# Altium PCB 3d_design_approx.PcbDoc (part 3 of 3)
Units mil, origin at the board's own origin, x right, y up, seen from the top; angles counter-clockwise.
Board outline 6771.68 x 3346.27 mil, 4 copper layers (Top Layer, Mid-Layer 1, Mid-Layer 3, Bottom Layer); 154 components, 242 nets, 874 pads, 288 vias.
Unrouted connection lines stored in the file: 2.
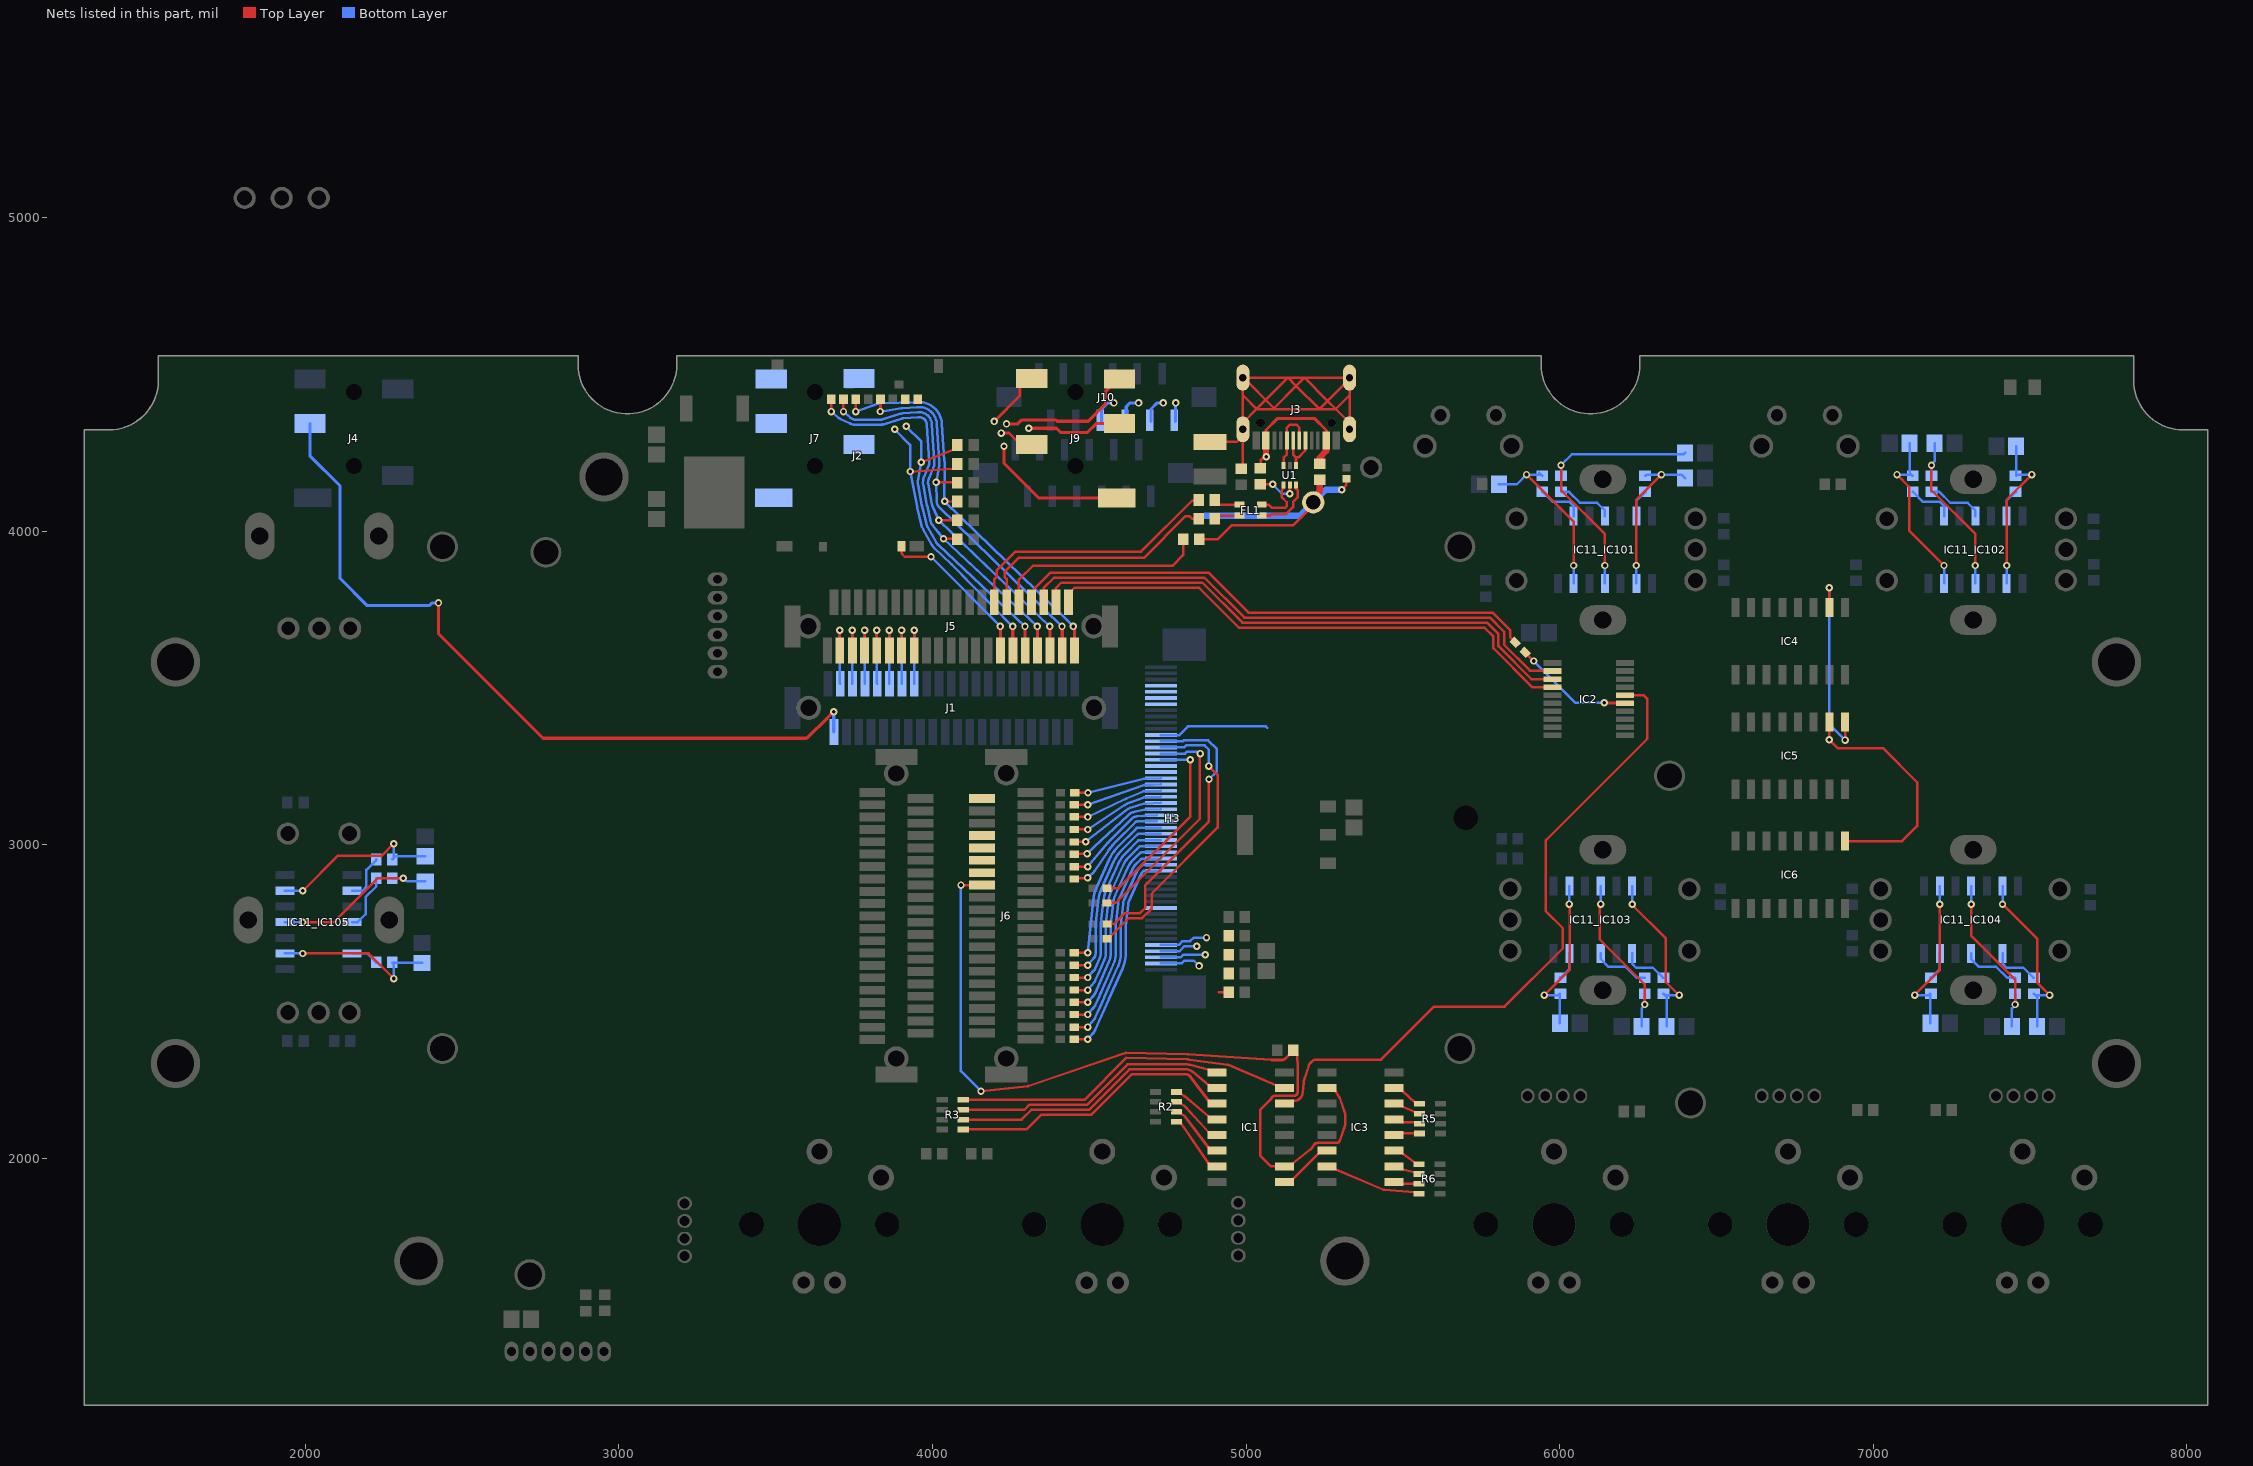
[diagram p3: the nets of this part, all layers, seen from the top]

## Via types
v1: diameter 23.62, hole 11.81, Top Layer to Bottom Layer, tented both sides, 215 vias
v2: diameter 23.62, hole 11.81, Top Layer to Bottom Layer, 73 vias

## Nets (pads, with @x,y where several pads share a name; then routed paths per layer and width w, separated by ;. In a path a pad name is that pad's centre, name@x,y a point inside that pad or via, vN(x,y) a via of type N, cw(c..) or ccw(c..) an arc to the next point about the centre after c; other vN are vias at no path point) (continued)
MOSI: IC1.14 IC2.16 | length 2155.8
  Top Layer w8: IC1.14@5122.28,2175 5148.8,2183.8 5155.03,2184.29 ccw(c5152.8,2212.2) 5180.71,2209.96 5183.36,2241.51 cw(c5227.2,2237.8) 5185.52,2251.88 5200.68,2296.76 cw(c5227.2,2287.8) 5227.2,2315.8 5430.8,2315.8 5599.25,2484.25 5824.25,2484.25 6010,2670 6010,2735 5955.25,2789.75 5955.25,3011.03 cw(c5963.25,3010.99) 5957.57,3016.62 6277.69,3336.74 ccw(c6272,3342.37) 6280,3342.37 6280,3465 6267.2,3477.8 IC2.16@6208.67,3477.8
NetC3_2: C3.2 J3.S1 J3.S2 J3.S3 J3.S4 R21.2 | length 2252.1
  Top Layer w8: C3.2@4885,4285.24 4970.39,4285.24 J3.S2@4989.92,4304.76 ; R21.2@4985,4200 4989.92,4204.92 J3.S2@4989.92,4304.76 ; J3.S4@4991.87,4490.04 5090,4391.91 ; J3.S1@5330.08,4325.43 J3.S1@5330.08,4346.1 ; J3.S3@5331.95,4488.13 J3.S3@5330.08,4486.26 ; J3.S2@4989.92,4304.76 J3.S2@4989.92,4325.43 J3.S2@4989.92,4346.1 ; J3.S2@4989.92,4346.1 5033.82,4390 ; J3.S2@4989.92,4346.1 4989.92,4433.9 ; 4989.92,4433.9 5033.82,4390 ; 4989.92,4433.9 J3.S4@4989.92,4490 5133.82,4490 ; 5033.82,4390 5133.82,4490 ; 5033.82,4390 5090,4390 ; 5090,4390 5090,4393.82 5160,4463.82 ; 5090,4390 5233.82,4390 ; 5133.82,4490 5160,4463.82 ; 5133.82,4490 5186.18,4490 ; 5160,4463.82 5233.82,4390 ; 5160,4463.82 5186.18,4490 ; 5186.18,4490 J3.S3@5330.08,4490 J3.S3@5330.08,4486.26 ; 5186.18,4490 5260,4416.18 ; 5233.82,4390 5286.18,4390 ; 5233.82,4390 5260,4416.18 ; 5260,4416.18 5286.18,4390 ; 5260,4416.18 J3.S3@5330.08,4486.26 ; 5286.18,4390 5330.08,4433.9 ; 5286.18,4390 J3.S1@5330.08,4346.1 ; J3.S1@5330.08,4346.1 5330.08,4433.9 ; 5330.08,4433.9 J3.S3@5330.08,4486.26
NetC17_IC101_1: C17_IC101.1 IC11_IC101.11 R47_IC101.2 | length 881.3
  Top Layer w8: v1(6004.48,4211.03) 6004.48,4131.03 6144.48,3991.03 v1(6144.48,3891.03)
  Bottom Layer w8: R47_IC101.2@6004.48,4176.62 v1(6004.48,4211.03) 6038.66,4245.22 6395.22,4245.22 C17_IC101.1@6400,4250 ; IC11_IC101.11@6144.48,3833.75 v1(6144.48,3891.03)
NetC17_IC102_1: C17_IC102.1 IC11_IC102.11 R47_IC102.2 | length 543.8
  Top Layer w8: v1(7185.58,4211.03) 7185.58,4131.03 7325.58,3991.03 v1(7325.58,3891.03)
  Bottom Layer w8: R47_IC102.2@7185.58,4176.62 v1(7185.58,4211.03) 7185.58,4213.39 7195.58,4223.39 C17_IC102.1@7195.58,4281.03 ; IC11_IC102.11@7325.58,3833.75 v1(7325.58,3891.03)
NetC17_IC103_1: C17_IC103.1 IC11_IC103.11 R47_IC103.2 | length 533
  Top Layer w8: 6127.7,2799.3 6127.7,2699.3 6271.06,2555.94 v1(6271.06,2491.37)
  Bottom Layer w8: v1(6131.06,2811.53) IC11_IC103.11@6131.06,2868.65 ; C17_IC103.1@6261.06,2421.37 6261.06,2479.01 6271.06,2489.01 v1(6271.06,2491.37) R47_IC103.2@6271.06,2525.78
NetC17_IC104_1: C17_IC104.1 IC11_IC104.11 R47_IC104.2 | length 543.8
  Top Layer w8: v1(7312.17,2811.37) 7312.17,2711.37 7452.17,2571.37 v1(7452.17,2491.37)
  Bottom Layer w8: v1(7312.17,2811.37) IC11_IC104.11@7312.17,2868.65 ; C17_IC104.1@7442.17,2421.37 7442.17,2479.01 7452.17,2489.01 v1(7452.17,2491.37) R47_IC104.2@7452.17,2525.78
NetC17_IC105_1: C17_IC105.1 IC11_IC105.11 R47_IC105.2 | length 543.8
  Top Layer w8: v1(1992.56,2753.95) 2092.56,2753.95 2232.56,2893.95 v1(2312.56,2893.95)
  Bottom Layer w8: IC11_IC105.11@1935.28,2753.95 v1(1992.56,2753.95) ; R47_IC105.2@2278.15,2893.95 v1(2312.56,2893.95) 2314.92,2893.95 2324.92,2883.95 C17_IC105.1@2382.56,2883.95
NetC18_IC101_1: C18_IC101.1 IC11_IC101.13 R48_IC101.2 | length 570
  Top Layer w8: v1(5894.48,4181.03) 6044.48,4031.03 v1(6044.48,3891.03)
  Bottom Layer w8: C18_IC101.1@5806.5,4150 5863.44,4150 v1(5894.48,4181.03) R48_IC101.2@5940.07,4181.03 ; R48_IC101.2@5934.48,4186.62 R48_IC101.2@5940.07,4181.03 ; R48_IC101.2@5944.48,4176.62 R48_IC101.2@5940.07,4181.03 ; IC11_IC101.13@6044.48,3833.75 v1(6044.48,3891.03)
NetC18_IC102_1: C18_IC102.1 IC11_IC102.13 R48_IC102.2 | length 563.6
  Top Layer w8: v1(7075.58,4181.03) 7114.57,4142.04 7114.57,4002.04 v1(7225.58,3891.03)
  Bottom Layer w8: v1(7075.58,4181.03) R48_IC102.2@7121.17,4181.03 ; C18_IC102.1@7115.58,4281.03 7115.58,4186.62 R48_IC102.2@7121.17,4181.03 ; R48_IC102.2@7125.58,4176.62 R48_IC102.2@7121.17,4181.03 ; IC11_IC102.13@7225.58,3833.75 v1(7225.58,3891.03)
NetC18_IC103_1: C18_IC103.1 IC11_IC103.13 R48_IC103.2 | length 564.5
  Top Layer w8: v1@6228.97,2811.03 6338.71,2701.29 6338.71,2562.29 v1@6380.35,2520.65
  Bottom Layer w8: v1(6231.06,2811.37) IC11_IC103.13@6231.06,2868.65 ; R48_IC103.2@6331.06,2525.78 R48_IC103.2@6335.47,2521.37 ; C18_IC103.1@6341.06,2421.37 6341.06,2515.78 R48_IC103.2@6335.47,2521.37 ; v1(6381.06,2521.37) R48_IC103.2@6335.47,2521.37
NetC18_IC104_1: C18_IC104.1 IC11_IC104.13 R48_IC104.2 | length 563.6
  Top Layer w8: v1(7412.17,2811.37) 7523.17,2700.37 7523.17,2560.37 v1(7562.17,2521.37)
  Bottom Layer w8: v1(7412.17,2811.37) IC11_IC104.13@7412.17,2868.65 ; R48_IC104.2@7512.17,2525.78 R48_IC104.2@7516.58,2521.37 ; C18_IC104.1@7522.17,2421.37 7522.17,2515.78 R48_IC104.2@7516.58,2521.37 ; v1(7562.17,2521.37) R48_IC104.2@7516.58,2521.37
NetC18_IC105_1: C18_IC105.1 IC11_IC105.13 R48_IC105.2 | length 563.6
  Top Layer w8: v1(1992.56,2853.95) 2103.57,2964.95 2243.57,2964.95 v1(2282.56,3003.95)
  Bottom Layer w8: IC11_IC105.13@1935.28,2853.95 v1(1992.56,2853.95) ; R48_IC105.2@2278.15,2953.95 R48_IC105.2@2282.56,2958.35 ; v1(2282.56,3003.95) R48_IC105.2@2282.56,2958.35 ; C18_IC105.1@2382.56,2963.95 2288.15,2963.95 R48_IC105.2@2282.56,2958.35
NetC19_IC101_1: C19_IC101.1 IC11_IC101.9 R49_IC101.2 | length 515.1
  Top Layer w8: v1(6244.48,3891.03) 6244.48,4101.03 v1(6324.48,4181.03)
  Bottom Layer w8: IC11_IC101.9@6244.48,3833.75 v1(6244.48,3891.03) ; R49_IC101.2@6272.51,4176.62 R49_IC101.2@6274.48,4178.59 ; R49_IC101.2@6274.48,4176.62 6278.89,4181.03 v1(6324.48,4181.03) 6388.97,4181.03 C19_IC101.1@6400,4170
NetC19_IC102_1: C19_IC102.1 IC11_IC102.9 R49_IC102.2 | length 526.7
  Top Layer w8: v1(7425.58,3891.03) 7425.58,4101.03 v1(7505.58,4181.03)
  Bottom Layer w8: IC11_IC102.9@7425.58,3833.75 v1(7425.58,3891.03) ; C19_IC102.1@7455.58,4271.03 7455.58,4176.62 7459.99,4181.03 v1(7505.58,4181.03)
NetC19_IC103_1: C19_IC103.1 IC11_IC103.9 R49_IC103.2 | length 515.5
  Top Layer w8: v1(5951.06,2521.37) 6033,2603.31 6033,2799.6
  Bottom Layer w8: v1(5951.06,2521.37) 5996.65,2521.37 6001.06,2525.78 C19_IC103.1@6001.06,2431.37 ; v1(6031.06,2811.53) IC11_IC103.9@6031.06,2868.65
NetC19_IC104_1: C19_IC104.1 IC11_IC104.9 R49_IC104.2 | length 526.7
  Top Layer w8: v1(7132.17,2521.37) 7212.17,2601.37 v1(7212.17,2811.37)
  Bottom Layer w8: v1(7132.17,2521.37) 7177.76,2521.37 7182.17,2525.78 C19_IC104.1@7182.17,2431.37 ; v1(7212.17,2811.37) IC11_IC104.9@7212.17,2868.65
NetC19_IC105_1: C19_IC105.1 IC11_IC105.9 R49_IC105.2 | length 526.7
  Top Layer w8: v1(1992.56,2653.95) 2202.56,2653.95 v1(2282.56,2573.95)
  Bottom Layer w8: IC11_IC105.9@1935.28,2653.95 v1(1992.56,2653.95) ; v1(2282.56,2573.95) 2282.56,2619.54 2278.15,2623.95 C19_IC105.1@2372.56,2623.95
NetFL1_1: FL1.1 U1.6 | length 190.3
  Top Layer w8: FL1.1@5050.45,4050.45 5077.17,4050.45 5081.72,4055 5127.63,4055 5150,4077.37 5150,4093.8 5165.32,4109.12 5165.32,4130.5 5159.37,4136.46 U1.6@5159.37,4148.19
NetFL1_2: FL1.2 U1.4 | length 163.9
  Top Layer w8: FL1.2@5050,4085.43 5072.03,4085.43 5082.47,4075 5125,4075 5130,4080 5130,4092.82 5113.7,4109.12 5113.7,4130.5 5120,4136.8 U1.4@5120,4148.19
NetFL1_3: FL1.3 R20.2 | length 86.2
  Top Layer w8: R20.2@4900,4100 4900,4098.17 4912.73,4085.43 FL1.3@4979.13,4085.43
NetFL1_4: FL1.4 R18.2 | length 83.3
  Top Layer w8: R18.2@4900,4040 4910,4050 FL1.4@4979.13,4050
NetH3_13: H3.13 R40.1 | length 934.9
  Top Layer w8: R40.1@4557.09,2748.03 4579.13,2748.03 4613.94,2782.84 4662.3,2782.84 4679.13,2799.67 4679.13,2871.88 4881.85,3074.6 v2(4881.85,3209.42)
  Bottom Layer w8: H3.13@4728.35,3330.71 4799.7,3330.71 4802.14,3333.15 4879.45,3333.15 4907.14,3305.46 4907.14,3234.71 v2(4881.85,3209.42)
NetH3_14: H3.14 R41.1 | length 948.9
  Top Layer w8: R41.1@4557.09,2700.79 4560.04,2700.79 4626.09,2766.84 4668.93,2766.84 4695.13,2793.04 4695.13,2793.56 4698.82,2797.24 4698.82,2844.49 4909.45,3055.12 4909.45,3223.03 v2(4880.96,3251.52)
  Bottom Layer w8: H3.14@4728.35,3311.02 4802.64,3311.02 4808.77,3317.15 4867.89,3317.15 4881.55,3303.48 4881.55,3252.12 v2(4880.96,3251.52)
NetH3_15: H3.15 R54.1 | length 746.7
  Top Layer w8: R54.1@4557.09,2814.96 4584.6,2814.96 4853.2,3083.56 4853.2,3290.21 v2(4854.33,3291.34)
  Bottom Layer w8: H3.15@4728.35,3291.34 4805.58,3291.34 4811.73,3297.48 4843.96,3297.48 4850.1,3291.34 v2(4854.33,3291.34)
NetH3_16: H3.16 R55.1 | length 635.4
  Top Layer w8: R55.1@4557.09,2862.2 4593.89,2862.2 4822.83,3091.15 4822.83,3271.26 v2(4822.42,3271.67)
  Bottom Layer w8: H3.16@4728.36,3271.66 v2(4822.42,3271.67)
NetH3_19: H3.19 R56.1 | length 280.2
  Top Layer w8: R56.1@4453.65,3166.36 4453.7,3166.32 v2(4496.14,3166.27) v2(4496.14,3166.27)
  Bottom Layer w8: v2(4496.14,3166.27) 4674.28,3210.47 cw(c4677.17,3198.82) 4677.17,3210.82 4681.17,3210.82 H3.19@4728.35,3212.6
NetH3_20: H3.20 R57.1 | length 286.3
  Top Layer w8: R57.1@4452.69,3128.32 v2(4495.14,3128.28)
  Bottom Layer w8: v2(4495.14,3128.28) 4673.21,3190.46 cw(c4677.17,3179.13) 4677.17,3191.13 4681.17,3191.13 H3.20@4728.35,3192.91
NetH3_21: H3.21 R58.1 | length 293.5
  Top Layer w8: R58.1@4452.69,3089.32 v2(4495.14,3089.28)
  Bottom Layer w8: v2(4495.14,3089.28) 4615.26,3146.3 cw(c4653,3066.8) 4618.84,3147.9 4672.51,3170.51 cw(c4677.17,3159.45) 4677.17,3171.45 4681.17,3171.45 H3.21@4728.35,3173.23
NetH3_22: H3.22 R59.1 | length 303.7
  Top Layer w8: R59.1@4452.69,3049.32 v2(4495.14,3049.28)
  Bottom Layer w8: v2(4495.14,3049.28) 4613.48,3126.99 cw(c4653,3066.8) 4627.96,3134.31 4672.99,3151.01 cw(c4677.17,3139.76) 4677.17,3151.76 4681.17,3151.76 H3.22@4728.35,3153.54
NetH3_23: H3.23 R60.1 | length 314.6
  Top Layer w8: R60.1@4452.69,3009.32 4453.27,3009.91 4488.23,3009.91 v2(4488.77,3010.44)
  Bottom Layer w8: v2(4488.77,3010.44) 4618.71,3111.08 cw(c4653,3066.8) 4636.79,3120.41 4673.69,3131.57 cw(c4677.17,3120.08) 4677.17,3132.08 4681.17,3132.08 H3.23@4728.35,3133.86
NetH3_24: H3.24 R61.1 | length 328.7
  Top Layer w8: R61.1@4452.69,2970.32 4453.65,2971.28 4492.3,2971.28 v2(4493.22,2972.2)
  Bottom Layer w8: v2(4493.22,2972.2) 4625.68,3096.02 cw(c4653,3066.8) 4644.9,3105.97 4674.74,3112.14 cw(c4677.17,3100.39) 4677.17,3112.39 4681.17,3112.39 H3.24@4728.35,3114.17
NetH3_25: H3.25 R62.1 | length 331.7
  Top Layer w8: R62.1@4452.69,2930.32 v2(4495.14,2930.28)
  Bottom Layer w8: v2(4495.14,2930.28) 4560.41,3007.47 cw(c4676.48,2909.32) 4569.14,3016.95 4636.03,3083.78 cw(c4653,3066.8) 4651.15,3090.73 4676.24,3092.67 cw(c4677.17,3080.71) 4677.17,3092.71 4681.17,3092.71 H3.25@4714.76,3094.49
NetH3_26: H3.26 R63.1 | length 346.6
  Top Layer w8: R63.1@4452.69,2891.32 4454.91,2893.54 4492.66,2893.54 v2(4494.84,2895.71)
  Bottom Layer w8: v2(4494.84,2895.71) 4512.14,2910.86 ccw(c4495.14,2930.28) 4516.53,2915.83 4561.15,2981.9 cw(c4677.17,2903.54) 4564.81,2987.07 4567.35,2990.48 cw(c4676.48,2909.32) 4580.47,3005.65 4647.34,3072.46 cw(c4653,3066.8) 4652.88,3074.8 4652.94,3074.8 H3.26@4714.76,3074.8
NetH3_27: H3.27 R64.1 | length 561.9
  Top Layer w8: R64.1@4452.69,2656.32 v2(4495.14,2656.28)
  Bottom Layer w8: v2(4495.14,2656.28) 4512.66,2823.05 cw(c4649.72,2808.65) 4523.99,2865.07 4564.05,2954.34 cw(c4677.17,2903.54) 4577.65,2977.52 4580.19,2980.93 cw(c4676.48,2909.32) 4591.78,2994.32 4650.28,3052.78 cw(c4655.94,3047.12) 4655.83,3055.12 4655.88,3055.12 H3.27@4728.35,3055.12
NetH3_28: H3.28 R65.1 | length 582.7
  Top Layer w8: R65.1@4452.69,2616.32 v2(4495.14,2616.28)
  Bottom Layer w8: v2(4495.14,2616.28) 4514.86,2639.62 ccw(c4495.14,2656.28) 4520.95,2656.28 4520.95,2738.07 cw(c4642.76,2738.07) 4521.54,2750.01 4528.5,2820.66 cw(c4649.72,2808.65) 4538.58,2858.52 4578.64,2947.79 cw(c4677.17,2903.54) 4590.51,2968 4593.06,2971.42 cw(c4676.48,2909.32) 4603.07,2982.99 4653.23,3033.09 cw(c4658.88,3027.43) 4658.77,3035.43 4658.82,3035.43 H3.28@4728.35,3035.43
NetH3_29: H3.29 R66.1 | length 597.8
  Top Layer w8: R66.1@4452.69,2577.32 v2(4495.14,2577.28)
  Bottom Layer w8: v2(4495.14,2577.28) 4514.49,2599.2 ccw(c4495.14,2616.28) 4518.79,2605.95 4533.46,2639.55 ccw(c4495.14,2656.28) 4536.95,2656.28 4536.95,2738.07 cw(c4642.76,2738.07) 4537.46,2748.44 4544.42,2819.07 cw(c4649.72,2808.65) 4553.18,2851.97 4593.24,2941.24 cw(c4677.17,2903.54) 4603.35,2958.45 4605.89,2961.87 cw(c4676.48,2909.32) 4614.37,2971.66 4656.17,3013.41 cw(c4661.82,3007.75) 4661.71,3015.75 4661.77,3015.75 H3.29@4728.35,3015.75
NetH3_30: H3.30 R67.1 | length 613.6
  Top Layer w8: R67.1@4452.69,2537.32 v2(4495.14,2537.28)
  Bottom Layer w8: v2(4495.14,2537.28) 4514.86,2560.62 ccw(c4495.14,2577.28) 4518.68,2566.69 4533.27,2599.13 ccw(c4495.14,2616.28) 4533.46,2599.55 4548.09,2633.09 ccw(c4495.14,2656.28) 4552.95,2656.28 4552.95,2738.07 cw(c4642.76,2738.07) 4553.38,2746.87 4560.34,2817.48 cw(c4649.72,2808.65) 4567.78,2845.42 4607.83,2934.67 cw(c4677.17,2903.54) 4616.18,2948.9 4618.73,2952.33 cw(c4676.48,2909.32) 4625.67,2960.33 4659.11,2993.72 cw(c4664.77,2988.06) 4664.65,2996.06 4664.71,2996.06 H3.30@4728.35,2996.06
NetH3_31: H3.31 R68.1 | length 628.7
  Top Layer w8: R68.1@4452.69,2498.32 v2(4495.14,2498.28)
  Bottom Layer w8: v2(4495.14,2498.28) 4514.49,2520.2 ccw(c4495.14,2537.28) 4518.76,2526.87 4562.76,2626.69 ccw(c4495.14,2656.28) 4568.95,2656.28 4568.95,2738.07 cw(c4642.76,2738.07) 4569.3,2745.3 4576.26,2815.91 cw(c4649.72,2808.65) 4582.38,2838.87 4622.43,2928.12 cw(c4677.17,2903.54) 4629.02,2939.35 4631.57,2942.78 cw(c4676.48,2909.32) 4636.97,2949.01 4662.06,2974.04 cw(c4667.71,2968.38) 4667.6,2976.38 4667.65,2976.38 H3.31@4728.35,2976.38
NetH3_32: H3.32 R69.1 | length 643.7
  Top Layer w8: R69.1@4452.69,2459.32 v2(4495.14,2459.28)
  Bottom Layer w8: v2(4495.14,2459.28) 4514.49,2481.2 ccw(c4495.14,2498.28) 4518.68,2487.69 4533.27,2520.13 ccw(c4495.14,2537.28) 4533.4,2520.41 4577.39,2620.21 ccw(c4495.14,2656.28) 4584.95,2656.28 4584.95,2738.07 cw(c4642.76,2738.07) 4585.23,2743.74 4592.18,2814.32 cw(c4649.72,2808.65) 4596.97,2832.32 4637.02,2921.56 cw(c4677.17,2903.54) 4641.86,2929.8 4644.41,2933.23 cw(c4676.48,2909.32) 4648.27,2937.68 4665,2954.36 cw(c4670.65,2948.69) 4670.54,2956.69 4670.59,2956.69 H3.32@4728.35,2956.69
NetH3_33: H3.33 R70.1 | length 659.4
  Top Layer w8: R70.1@4452.69,2419.32 v2(4495.14,2419.28)
  Bottom Layer w8: v2(4495.14,2419.28) 4514.86,2442.62 ccw(c4495.14,2459.28) 4518.67,2448.68 4533.24,2481.07 ccw(c4495.14,2498.28) 4533.29,2481.17 4547.86,2513.56 ccw(c4495.14,2537.28) 4548.04,2513.96 4592.02,2613.74 ccw(c4495.14,2656.28) 4600.95,2656.28 4600.95,2738.07 cw(c4642.76,2738.07) 4601.15,2742.17 4608.11,2812.75 cw(c4649.72,2808.65) 4611.57,2825.77 4651.62,2915.01 cw(c4677.17,2903.54) 4654.7,2920.25 4657.22,2923.65 cw(c4676.48,2909.32) 4659.57,2926.35 4667.95,2934.68 cw(c4673.59,2929.01) 4673.48,2937.01 4673.54,2937.01 H3.33@4728.35,2937.01
NetH3_34: H3.34 R71.1 | length 674.6
  Top Layer w8: R71.1@4452.69,2380.32 v2(4495.14,2380.28)
  Bottom Layer w8: v2(4495.14,2380.28) 4514.49,2402.2 ccw(c4495.14,2419.28) 4518.72,2408.78 4562.57,2507.25 ccw(c4495.14,2537.28) 4562.68,2507.51 4606.64,2607.25 ccw(c4495.14,2656.28) 4616.95,2656.28 4616.95,2738.07 cw(c4642.76,2738.07) 4617.07,2740.6 4624.03,2811.18 cw(c4649.72,2808.65) 4626.17,2819.22 4666.22,2908.46 cw(c4677.17,2903.54) 4667.54,2910.7 4670.06,2914.1 cw(c4676.48,2909.32) 4676.48,2917.32 H3.34@4728.35,2917.32
NetH3_46: H3.46 R42.1 | length 155.5
  Bottom Layer w8: H3.46@4728.35,2681.1 4785.8,2681.1 4797.86,2693.17 4822.02,2693.17 4833.58,2704.72 v2(4874.02,2704.72)
NetH3_47: H3.47 R43.1 | length 125.9
  Top Layer w8: R43.1@4941.22,2653.82 R43.1@4944.88,2650.16
  Bottom Layer w8: H3.47@4728.35,2661.42 4788.74,2661.42 4804.49,2677.17 v2(4842.52,2677.17)
NetH3_48: H3.48 R44.1 | length 145
  Bottom Layer w8: H3.48@4728.35,2641.73 4791.84,2641.73 4799.71,2649.61 v2(4870.08,2649.61)
NetH3_49: H3.49 R45.1 | length 165.2
  Top Layer w8: 4912.6,2530.16 R45.1@4944.88,2530.16
  Bottom Layer w8: H3.49@4728.35,2622.05 4794.78,2622.05 4803.93,2631.19 4833.37,2631.19 v2(4850.39,2614.17)
NetIC1_1: IC1.1 R3.7 | length 891.8
  Top Layer w8: R3.7@4098.46,2155.75 4293.12,2155.75 4308.62,2171.24 4492.63,2171.24 4621.48,2300.09 4812.36,2300.09 cw(c4811.18,2256.1) 4821.96,2298.76 4881.2,2283.8 IC1.1@4927.72,2275
NetIC1_2: IC1.2 R3.6 | length 866.4
  Top Layer w8: R3.6@4098.46,2124.25 4284.25,2124.25 4315.24,2155.24 4499.26,2155.24 4628.1,2284.09 4812.12,2284.09 cw(c4811.18,2256.1) 4829.2,2277.53 IC1.2@4881.2,2233.8
NetIC1_3: IC1.3 R3.5 | length 924.3
  Top Layer w8: R3.5@4098.46,2092.76 4300.13,2092.76 4346.62,2139.24 4506.1,2139.24 4634.94,2268.09 4811.8,2268.09 cw(c4811.18,2256.1) 4820.74,2263.36 4881.2,2183.8 IC1.3@4907.72,2175
NetIC1_4: IC1.4 R2.8 | length 158
  Top Layer w8: R2.8@4778.46,2212.24 4792.18,2207.39 4803.26,2199.3 cw(c4796.18,2189.61) 4803.9,2198.79 4881.2,2133.8 IC1.4@4907.72,2125
NetIC1_5: IC1.5 R2.7 | length 170.8
  Top Layer w8: R2.7@4778.46,2180.75 4792.18,2175.89 4803.26,2167.8 cw(c4796.18,2158.11) 4804.99,2166.25 4881.2,2083.8 IC1.5@4907.72,2075
NetIC1_6: IC1.6 R2.6 | length 185
  Top Layer w8: R2.6@4778.46,2149.25 4792.18,2144.39 4803.26,2136.31 cw(c4796.18,2126.61) 4805.76,2133.84 4881.2,2033.8 IC1.6@4907.72,2025
NetIC1_7: IC1.7 R2.5 | length 199.3
  Top Layer w8: R2.5@4778.46,2117.76 4792.18,2112.9 4881.2,1983.8 IC1.7@4907.72,1975
NetIC1_9: IC1.9 IC3.14 | length 163.2
  Top Layer w8: IC1.9@5122.28,1925 5148.8,1933.8 5231.2,2016.2 IC3.14@5247.72,2025
NetIC1_15: IC1.15 R3.8 | length 1114.5